# KiCad board EnvChocTKL.kicad_pcb (continued)
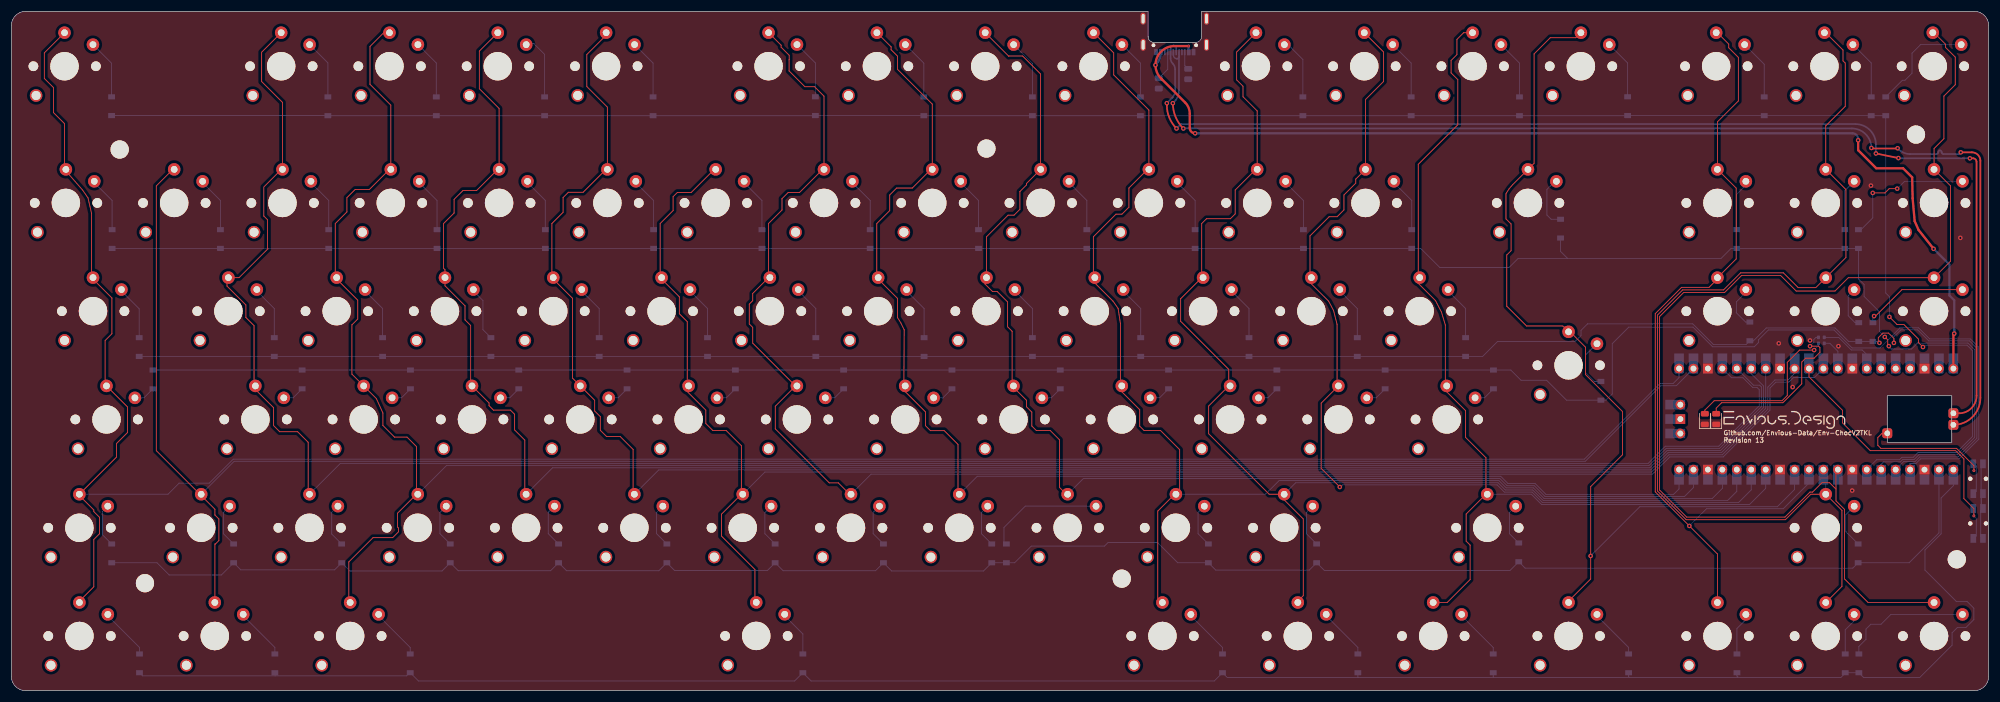
[diagram p0: board, top side]
## Nets (continued)
Net-(D_71-A): D_71.2 K_71.2
Net-(D_72-A): D_72.2 K_72.2
Net-(D_73-A): D_73.2 K_73.2
Net-(D_74-A): D_74.2 K_74.2
Net-(D_75-A): D_75.2 K_75.2
Net-(D_76-A): D_76.2 K_76.2
Net-(D_77-A): D_77.2 K_77.2
Net-(D_78-A): D_78.2 K_78.2
Net-(D_79-A): D_79.2 K_79.2
Net-(D_80-A): D_80.2 K_80.2
Net-(D_81-A): D_81.2 K_81.2
Net-(D_82-A): D_82.2 K_82.2
Net-(D_83-A): D_83.2 K_83.2
Net-(D_84-A): D_84.2 K_84.2
Net-(D_85-A): D_85.2 K_85.2
Net-(D_86-A): D_86.2 K_86.2
Net-(D_87-A): D_87.2 K_87.2
Net-(J1-CC1): J1.A5 R5.2
Net-(J1-CC2): J1.B5 R6.2
Net-(RPI1-GPIO27_ADC1): R1.1 RPI1.32
Net-(RPI1-GPIO28_ADC2): R2.1 RPI1.34

Pads without a net: J1 A8 B8; RPI1 35 36 37 39 41 42 43

## Via types
v1: diameter 0.8, hole 0.4, Top to Bottom, 36 vias
v2: diameter 0.5, hole 0.2, Top to Bottom, 3 vias

## Routing (per net, layer and track width the routed paths; a pad name or vN(x,y) marks a point on that pad's centre or on a via; arc(x,y) is an arc through that point)
GND: length 16.2
  Bottom w0.15: 346.9,39.9 346.48,39.48 346.48,32.45 346.53,32.4 ; 346.9,34.65 346.53,34.28 346.53,32.4 ; SW101.1 346.4,27.19 346.4,31.64 SW101.1 346.8,32.13 346.53,32.4
  vias: v1(310.88,61.1) v1(313.33,53.4) v1(316.38,61.6) v1(321.38,60.6) v1(323.8,35.2) v1(327.1,88.85) v1(342.82,79.65)
VBUS: length 193.1
  Top w0.4: v1(341.75,62.82) 341.6,62.68 RPI1.40 ; v1(324.85,96.82) 324.85,95.07 328.02,91.9 332.75,91.9 334.35,90.3 334.43,86.61 334.79,82.59 335.48,81.04 v1(338.12,77.72) ; v2(207.08,113.4) 204.6,113.4 arc(202.23,112.42) v1(201.25,110.05) arc(201.5,108.79) 202.22,107.72 206.48,103.45 arc(207.07,102.57) 207.28,101.52 207.28,98.99 arc(207.56,98.33) v1(208.22,98.05)
  Bottom w0.4: v1(338.12,77.72) 340.9,74.95 340.9,69.53 341.75,68.67 v1(341.75,62.82) ; v1(201.25,110.05) 201.25,110.05 arc(201.95,111.1) J1.A4 ; v1(208.22,98.05) 323.85,98.05 arc(324.56,97.76) 324.85,97.05 v1(324.85,96.82) ; v2(207.08,113.4) 207.08,112.36 arc(207.09,112.35) J1.A9
BOOTSEL: length 29.2
  Top w0.15: v2(345.2,38.7) 345.2,39.57 342.16,42.62 328.85,42.62 328.31,43.17 328.31,44.53 329.05,45.28 329.81,45.28
  Bottom w0.15: 345.2,34.65 345.63,35.08 345.63,39.48 345.2,39.9 v2(345.2,38.7)
col0: length 406.4
  Top w0.15: 11.73,34.55 14.5,31.78 14.5,31.5 15.5,30.5 15.5,27.6 14.5,26.6 14.5,18.27 11.73,15.5 ; 16.49,53.6 16.49,61.59 17.69,62.79 17.69,69.08 14.11,72.65 14.11,83.94 13.47,86.7 12.5,88.1 9.35,91.7 9.35,99.75 7.4,101.7 7.4,106.1 5.8,107.7 5.8,112.2 K_0.1 ; K_63.1 18.5,41.09 18.5,43.47 20.42,45.4 20.42,49.91 K_50.1
  Bottom w0.15: RPI1.21 293.34,55.07 292.3,54.03 289.99,54.03 276.68,40.72 39.03,40.72 34.81,36.5 29.5,36.5 27.55,34.55 K_63.1
col1: length 353.7
  Top w0.15: 35.8,15.76 35.8,25.8 35.9,25.8 36.5,26.4 36.5,30.2 35.8,30.9 35.8,31.91 25.5,42.21 25.5,88.8 28.4,91.7
  Bottom w0.15: K_64.1 39.18,40.34 276.84,40.34 290.15,53.65 292.87,53.65 RPI1.22
col2: length 369.2
  Top w0.15: K_1.1 44.02,112.31 44.02,107.16 47.69,103.49 K_18.1 ; 42.69,53.6 42.69,64.21 41.25,65.65 41.25,67.85 37.92,71.17 37.92,72.65 ; 44.47,88.67 47.45,91.65 ; 52.21,34.55 52.21,43.69 50.35,45.55 47.2,45.55 46.12,46.62 46.12,49.78 42.69,53.21 ; 44.4,88.6 44.4,83.5 45.06,82.84 45.06,77.79 45.12,77.72 40.06,72.66 K_34.1
  Bottom w0.15: K_65.1 57.86,39.97 287.9,39.97 290.94,43 300.33,43 307.45,50.12 307.45,52.95 307.04,53.36 306.28,53.36 304.58,55.05 302.58,55.05 RPI1.24
col3: length 375
  Top w0.15: K_19.1 66.74,103.01 63.08,106.67 63.08,113.33 65.5,115.75 ; 66.5,91.7 62.97,88.17 60.47,88.17 59.02,86.72 59.02,84.22 56.97,82.17 56.97,72.65 60.92,68.7 60.92,65.38 59.9,64.35 59.9,55.68 K_52.1 64.2,51.38 65.35,48.85 65.35,46.65 67.4,44.6 69.6,44.6 71.26,42.94 71.26,34.55 67.93,31.22 67.93,28.77 68.1,28.6 68.1,27.95 67.07,26.92 63.63,26.92 59.36,22.64 59.36,15.5
  Bottom w0.15: K_66.1 76.53,39.59 288.06,39.59 291.09,42.62 300.49,42.62 307.83,49.96 307.83,53.44 307.53,53.73 306.43,53.73 RPI1.25
col4: length 328.7
  Top w0.15: 85.55,91.7 81.82,87.97 79.42,87.97 77.87,86.42 77.87,84.03 76.02,82.17 76.02,74.3 76.27,74.05 K_36.1 76.27,71.23 79.8,67.7 79.8,65.22 80.79,64.24 80.79,53.6 ; K_3.1 82.32,112.51 82.32,105.89 85.79,102.42 K_20.1 ; 90.31,34.55 90.31,44.07 88.52,45.87 88.52,48.62 87.79,49.35 84.8,49.35 84.02,50.12 84.02,50.61 K_53.1
  Bottom w0.15: RPI1.26 306.04,55.76 308.2,53.59 308.2,49.81 300.65,42.25 291.25,42.25 288.21,39.21 95.2,39.21 K_67.1
col5: length 308.7
  Top w0.15: 104.6,91.7 100.57,87.67 97.97,87.67 97.05,86.75 97.05,84.15 95.07,82.17 95.07,72.65 98.7,69.03 98.7,54.98 K_54.1 102.6,51.08 102.6,49.2 103.6,48.2 103.6,45.8 104.7,44.7 107.1,44.7 109.36,42.44 109.36,34.55 ; 104.62,115.32 101.22,111.92 101.22,106.27 104.84,102.65 K_21.1
  Bottom w0.15: RPI1.27 308.58,49.65 300.8,41.87 291.4,41.87 288.37,38.84 113.88,38.84 K_68.1
col6: length 289.5
  Top w0.15: 123.65,91.7 119.6,87.65 117.15,87.65 116.4,86.9 116.4,84.45 114.12,82.17 114.12,72.65 117.5,69.28 117.5,66.3 118.89,64.91 118.89,52.61 122.15,49.35 122.15,47 123.4,45.75 125.75,45.75 128.41,43.09 128.41,34.55 124.9,31.04 124.9,27.2 130.79,21.31 130.79,15.76
  Bottom w0.15: K_69.1 132.55,38.46 288.53,38.46 291.56,41.49 300.96,41.49 308.96,49.49 308.96,53.39 310.22,54.65 312.5,54.65 313.66,55.81 RPI1.29
col7: length 286.5
  Top w0.15: 147.46,34.55 145.46,36.55 143.87,36.55 134.37,46.05 134.37,50.04 137.94,53.6 130.4,61.14 130.4,63.9 129.8,64.5 129.8,68 130.4,68.6 130.4,69.88 133.17,72.65 133.17,82.17 135.55,84.55 135.55,86.55 136.62,87.62 138.62,87.62 142.7,91.7 ; K_23.1 142.94,104.59 141.27,106.25 139.57,106.25 136.8,109.03 136.8,110.97 136.82,111 136.82,111.77 135.4,113.2 135.4,113.55 K_5.1
  Bottom w0.15: K_70.1 151.22,38.08 288.68,38.08 291.72,41.12 301.11,41.12 309.33,49.34 309.33,53.24 310.37,54.27 312.65,54.27 313.48,55.1 317.18,55.1 RPI1.31
col8: length 230.2
  Top w0.15: 156.99,52.84 160.79,49.04 160.79,46.61 161.66,45.74 164.09,45.74 166.51,43.31 166.51,34.55 ; 156.99,53.6 157.05,63.47 156.46,64.69 155.87,65.62 155.86,69.01 152.22,72.65 152.22,82.17 154.5,84.45 154.5,87.2 155.72,88.42 158.47,88.42 161.75,91.7 ; K_24.1 161.99,103.19 155.87,109.3 155.87,111.62 154.75,112.75 154.75,113.25 K_6.1
  Bottom w0.15: RPI1.20 293.34,35.49 292.38,34.53 269.93,34.53 268.03,36.43 263.25,36.43 261.97,37.71 169.9,37.71 K_71.1
col9: length 215.5
  Top w0.15: K_7.1 175.45,111.6 175.5,111.65 177.87,111.65 181.04,108.48 K_25.1 178.57,89.23 178.57,88.97 177.4,87.8 177.4,84.67 176.37,83.65 175.32,83.65 171.52,79.85 K_41.1 ; 185.56,34.55 184.37,35.74 184.37,44.12 182.75,45.75 180.3,45.75 179.5,46.55 179.5,49 178.55,49.95 178.55,51.09 176.04,53.6 176.04,63.21 175.24,64.01 175.24,68.39 173.42,70.2 172.6,70.2 171.27,71.53 171.27,72.65
  Bottom w0.15: K_72.1 188.57,37.33 261.82,37.33 263.09,36.06 267.87,36.06 269.77,34.16 294.3,34.16 295.88,35.73 RPI1.19
col10: length 218.6
  Top w0.15: 201.65,16.08 201.65,31.59 205.5,35.44 205.5,42.4 202.15,45.75 199.25,45.75 198.47,46.53 198.47,49.42 195.09,52.81 ; K_26.1 200.09,102.13 193.9,108.32 193.9,112.2 K_8.1 ; 190.32,72.65 190.32,79.85 194.3,83.82 195.35,83.82 196.57,85.05 196.57,88.42 199.85,91.7 ; 190.32,71.97 193.77,68.53 194.67,67.25 195.09,64.56 195.09,53.6
  Bottom w0.15: RPI1.17 300.96,35.57 299.17,33.78 269.62,33.78 267.72,35.68 262.93,35.68 261.66,36.95 223,36.95 220.6,34.55 K_73.1
col11: length 210.4
  Top w0.15: K_27.1 219.14,101.98 216.65,104.47 216.65,106.32 215.52,107.45 215.52,112.35 K_9.1 ; 223.66,33.79 227.25,30.2 227.25,16.71 226.04,15.5 ; 218.9,91.7 215.27,88.07 215.27,83.88 214.42,83.03 210.22,83.03 209.37,82.17 209.37,72.65 205.67,68.95 205.67,64.97 214.14,56.51 214.14,53.6 210.6,50.06 210.6,45.2 221.25,34.55 223.66,34.55
  Bottom w0.15: RPI1.16 303.5,35.06 301.88,33.43 269.47,33.43 267.6,35.3 262.78,35.3 261.5,36.58 225.92,36.58 K_74.1
col12: length 168.9
  Top w0.15: 237.95,91.46 236.48,89.99 236.48,89.28 234.4,87.2 234.4,84.57 233.2,83.38 231.8,83.38 228.42,80 228.42,72.65 ; 233.19,53.6 233.19,64.46 232.57,66.88 231.7,68.53 228.42,71.8 ; K_10.1 241.37,112.35 241.37,107.17 238.19,103.99 K_28.1 ; v1(233.67,35.82) 230.4,39.1 230.4,50.59 K_61.1
  Bottom w0.15: RPI1.15 306.04,35.32 303.8,33.08 269.33,33.08 267.48,34.93 262.62,34.93 261.35,36.2 234.2,36.2 233.82,35.82 v1(233.67,35.82)
col13: length 170.2
  Top w0.15: 249.86,15.5 252.55,15.5 256.6,19.55 256.6,25.6 255.9,26.3 255.9,31.07 259.38,34.55 259.38,40.97 255.8,44.55 255.8,49.25 252.24,52.81 ; K_11.1 255.45,115.75 254.27,114.57 254.27,111.9 253.25,110.88 253.25,108.67 254.42,107.5 254.42,99.55 247.47,92.6 247.47,71.65 250.51,68.61 251.55,66.6 252.24,64.31 252.24,53.6
  Bottom w0.15: RPI1.14 308.58,35.58 305.73,32.73 269.18,32.73 267.36,34.55 K_75.1
col14: length 170.5
  Top w0.15: 273.27,64.04 276.9,60.41 276.9,55.6 283.4,49.1 283.4,41.5 277.8,35.9 v1(277.8,23.7) 277.8,19.63 273.67,15.5 ; K_46.1 272.89,64.15 266.52,64.15 263.04,67.63 263.04,76.64 263.8,77.4 263.8,82.1 262.9,83 262.9,87.4 263.02,87.62 263.46,88.29 264.04,88.97 267.85,92.78 267.85,112.02 270.7,114.87 275.18,114.87 276.07,115.76
  Bottom w0.15: RPI1.12 313.66,35.38 310.63,32.35 286.45,32.35 v1(277.8,23.7)
col15: length 141.6
  Top w0.15: 300.1,72.43 298.62,70.95 293.79,70.95 289.16,66.32 289.16,34.98 295.15,28.99 v1(295.15,28.97) 295.16,28.97 300.1,24.04 K_85.1 ; 300.1,92 300.1,100.07 303.78,103.75 303.78,111.4 302.08,113.1 302.08,113.75 300.08,115.75 ; K_47.1 303.4,75.95 303.4,88.4 K_30.1
  Bottom w0.15: v1(295.15,28.97) 298.18,32 311.67,32 316.2,36.53
col16: length 173.2
  Top w0.15: 319.13,115.75 322.18,112.7 322.18,110.8 322.58,110.4 322.58,102.8 319.15,99.37 K_31.1 322.7,88.15 322.7,76.2 K_48.1 317.4,70.9 314.3,70.9 311.7,73.5 304.17,73.5 301.17,70.5 293.97,70.5 289.54,66.06 289.54,35.14 294.6,30.07 312.05,30.07 316.52,34.55 K_76.1 322,31.7 322,18.35 K_86.1
  Bottom w0.15: K_76.1 319.15,38.48
col17: length 205.5
  Top w0.15: 320.95,35.45 319.82,36.57 318.47,36.57 316.83,34.93 316.37,34.93 311.97,30.53 294.68,30.53 289.91,35.29 289.91,65.8 294.16,70.05 301.36,70.05 304.36,73.05 311.2,73.05 313.95,70.3 320.77,70.3 323.12,72.65 K_49.1 341.1,75.55 341.1,88.8 K_32.1 338.2,95.36 339.93,97.1 339.93,104.6 341.93,106.6 341.93,111.45 340.23,113.15 340.23,113.7 338.18,115.75 ; K_87.1 326.6,15.5 322.45,19.65 322.45,31.89 320.95,33.39 320.95,38.55
row0: length 401.4
  Top w0.15: v1(330.35,65.75) 331.7,64.4 332.9,64.4 335.45,61.85 335.45,61.25 v1(336.25,60.45)
  Bottom w0.15: D_14.1 D_15.1 329.7,69.95 330.35,69.3 v1(330.35,65.75) ; D_6.1 D_7.1 D_8.1 D_9.1 D_10.1 D_11.1 284.27,101.15 ; D_1.1 D_2.1 D_3.1 D_4.1 141.4,101.15 ; D_13.1 327.15,101.15 ; v1(336.25,60.45) 336.57,60.77 344,60.77 344.97,59.8 344.97,44.72 342.13,41.88 335.38,41.88 334.55,41.05 332.54,41.05 332.12,40.63 328.1,40.63 RPI1.7 ; D_5.1 160.47,101.17 ; D_12.1 308.31,101.17 ; D_0.1 55.65,101.17
row1: length 384.4
  Top w0.15: v1(330.25,60.61) 330.05,60.81 330.05,61.71 v1(329.54,62.23)
  Bottom w0.15: v1(329.54,62.23) 328.6,63.16 328.6,66.65 325.9,69.35 325.9,71.45 324.9,72.45 D_32.1 D_30.1 302.5,77.8 300.75,76.05 273.72,76.05 ; 273.72,76.05 272.5,77.28 D_29.1 ; 273.72,76.05 265.05,76.05 263.45,74.45 251.25,74.45 247.9,77.8 D_28.1 D_16.1 ; 328.8,38.99 328.8,39.75 329.3,40.25 332.27,40.25 332.7,40.68 334.71,40.68 335.53,41.5 342.29,41.5 345.35,44.56 345.35,59.95 344.15,61.15 335.3,61.15 334.25,60.1 330.76,60.1 v1(330.25,60.61)
row2: length 368.1
  Top w0.15: v1(331.14,61.18) 331.14,61.96 330.2,62.9 329.2,62.9 328.4,62.1 328.4,61.38 v1(328.59,61.18)
  Bottom w0.15: v1(331.14,61.18) 331.14,62.26 332.35,63.47 335.33,63.47 337.28,61.52 344.44,61.52 345.72,60.24 345.72,44.41 342.44,41.13 335.69,41.13 334.86,40.3 332.86,40.3 RPI1.5 ; 22.4,58.8 D_45.1 258.8,58.8 261.41,61.41 275.04,61.41 276.1,62.47 276.1,63.38 277.25,64.53 277.25,64.53 288.6,64.53 288.6,64.53 295.74,64.53 299.39,60.88 305.13,60.88 D_47.1 306.44,61.55 308.69,63.8 320.8,63.8 323.16,61.44 D_48.1 D_49.1 328.34,61.44 v1(328.59,61.18)
row3: length 372.5
  Bottom w0.15: RPI1.4 333.98,39.95 335.01,39.95 335.84,40.78 342.59,40.78 346.07,44.26 346.07,60.39 344.59,61.87 337.44,61.87 335.49,63.82 332.21,63.82 330.79,62.4 330.79,62.4 328.67,60.28 323.79,60.28 320.62,63.45 309.05,63.45 307.3,61.7 307.3,61.22 306.58,60.5 299.24,60.5 295.79,63.95 284.5,63.95 281.6,61.05 281.6,52.2 280.5,51.1 D_46.1 273.55,51.1 270.05,54.6 265.55,54.6 263.75,56.4 D_62.1 D_61.1 D_60.1 D_59.1 D_58.1 D_57.1 D_56.1 D_55.1 D_54.1 D_53.1 D_52.1 D_51.1 24.45,56.4
row4: length 350.6
  Bottom w0.15: RPI1.2 339.06,27.74 333.82,22.5 D_76.1 323.9,21.55 266.27,21.55 D_75.1 263.62,21.15 230.95,21.15 D_74.1 228.3,21.2 211.85,21.2 D_73.1 205.16,22.5 201.58,26.07 192.92,26.07 192.27,25.42 179.4,25.42 176.47,22.5 D_72.1 D_71.1 171,21.05 154.85,21.05 D_70.1 152,21.1 135.75,21.1 D_69.1 133,21.15 116.65,21.15 D_68.1 113.9,21.1 97.65,21.1 D_67.1 94.85,21.1 78.6,21.1 D_66.1 75.75,21.05 59.55,21.05 D_65.1 56.85,21.25 40.35,21.25 D_64.1 36.95,20.35 27.76,20.35 25.61,22.5 D_63.1
row5: length 369.2
  Bottom w0.15: 236.9,2.3 213.89,2.3 D_81.1 211.59,1.7 140.67,1.7 D_80.1 137.77,1.7 71.61,1.7 D_79.1 ; 236.9,2.3 260.8,2.3 ; 236.9,2.3 236.85,2.35 D_82.1 ; 260.8,2.3 260.66,2.44 D_83.1 ; 260.8,2.3 284.6,2.3 ; RPI1.1 341.6,36.05 339.44,33.89 339.44,27.59 336.6,24.75 336.6,21.2 342.1,15.7 344,15.7 345.2,14.5 345.2,12.5 343.8,11.1 342.3,11.1 341.37,10.17 341.37,8 335.67,2.3 325.82,2.3 D_87.1 322.65,3.15 321.8,2.3 303.7,2.3 ; 70.05,3.15 69.5,2.6 46.4,2.6 ; 46.4,2.6 46.4,3.1 ; 46.4,2.6 23.09,2.6 D_77.1 ; D_85.1 303.52,2.57 303.7,2.4 303.7,2.3 ; 284.6,2.3 303.7,2.3 ; 284.6,2.3 284.47,2.42 D_84.1
RUN: length 52.3
  Top w0.15: RPI1.30 316.2,55.21 322.1,49.31 322.1,47.1 326.98,42.22 341.99,42.22 343.45,40.76 343.45,33.78 345.2,32.03 v2(345.2,30.74)
  Bottom w0.15: 345.2,26.78 345.63,27.21 345.63,30.31 v2(345.2,30.74) 345.2,32.03
USB_D+: length 211.2
  Top w0.3: v1(327.17,95.47) 327.27,95.38 331.74,95.38 v1(331.79,95.42) ; v1(206.15,98.9) 206.14,98.91 arc(204.78,100.94) v1(204.3,103.35) ; v1(342.9,94.7) 344.87,94.7 arc(345.91,94.27) 346.35,93.22 346.35,51.51 arc(344.96,48.15) RPI1.TP3
  Bottom w0.25: J1.B6 205.4,111.57 arc(205.28,111.29) 205,111.18 ; J1.A6 204.4,111.78 arc(204.58,111.35) 205,111.18 ; 205,111.18 205.08,111.18 arc(205.31,111.27) 205.4,111.49
  Bottom w0.3: v1(204.3,103.35) 204.49,103.53 arc(205.15,104.52) 205.38,105.68 205.38,111.46 205.37,111.47 205.4,111.49 J1.B6 ; v1(206.15,98.9) 323.75,98.9 arc(326.17,97.9) v1(327.17,95.47) ; v1(331.79,95.42) 332.01,95.2 arc(332.89,94.61) 333.94,94.4 338.64,94.4 arc(338.85,94.49) 338.94,94.7 338.94,94.74 arc(339.03,94.95) 339.24,95.04 arc(339.45,94.95) 339.54,94.74 339.54,94.7 arc(339.63,94.49) 339.84,94.4 342.6,94.4 v1(342.9,94.7)
USB_D-: length 209.7
  Top w0.3: v1(344.5,93.65) 345.07,93.65 arc(345.5,93.47) 345.67,93.05 345.67,51.88 arc(344.77,49.7) 342.58,48.79 RPI1.TP2 ; v1(331.94,93.69) v1(327.97,94.5) ; v1(203.25,103.35) 203.25,103 arc(203.69,100.78) v1(204.95,98.9)
  Bottom w0.25: J1.B7 203.9,113.02 arc(204.05,113.38) 204.41,113.53 arc(204.75,113.38) 204.9,113.03 J1.A7
  Bottom w0.3: v1(327.97,94.5) 327.97,96.07 arc(326.92,98.62) 324.37,99.67 205.72,99.67 v1(204.95,98.9) ; J1.B7 203.9,111.27 arc(204,110.74) 204.3,110.3 arc(204.6,109.86) 204.7,109.33 204.7,105.6 arc(204.55,104.86) 204.13,104.24 v1(203.25,103.35) ; v1(331.94,93.69) 331.98,93.65 v1(344.5,93.65)
Net-(D1-A): length 29.2
  Top w0.15: v1(317.1,59.91) 314.54,59.91 312.38,57.75 312.38,51.93 311.45,51 299.53,51 297.88,49.35 D1.2
  Bottom w0.15: R1.2 317.87,60.68 v1(317.1,59.91)
Net-(D2-A): length 30.6
  Top w0.15: D2.2 299.88,49.7 300.83,50.65 311.6,50.65 314.93,53.98 314.93,57.8 315.61,58.48 317.08,58.48 318.13,59.53 318.13,60.35 317.88,60.6 v1(316.38,60.6)
  Bottom w0.15: v1(316.38,60.6) 317.06,61.28 317.06,61.78 317.43,62.15 R2.2
Net-(D_0-A): length 10.5
  Bottom w0.15: K_0.2 17.63,110.37 D_0.2
Net-(D_1-A): length 10.5
  Bottom w0.15: D_1.2 55.67,110.44 K_1.2
Net-(D_2-A): length 10.5
  Bottom w0.15: K_2.2 74.75,110.41 D_2.2
Net-(D_3-A): length 11.3
  Bottom w0.15: 90.73,113.82 91.9,113.82 93.8,111.92 D_3.2
Net-(D_4-A): length 10.6
  Bottom w0.15: K_4.2 112.87,110.41 D_4.2
Net-(D_5-A): length 10.5
  Bottom w0.15: D_5.2 141.42,110.42 K_5.2
Net-(D_6-A): length 10.5
  Bottom w0.15: D_6.2 160.5,110.4 K_6.2
Net-(D_7-A): length 10.6
  Bottom w0.15: K_7.2 179.6,110.35 D_7.2
Net-(D_8-A): length 10.5
  Bottom w0.15: K_8.2 198.6,110.4 D_8.2
Net-(D_9-A): length 10.3
  Bottom w0.15: 224.55,113.65 227.17,111.03 D_9.2
Net-(D_10-A): length 10.5
  Bottom w0.15: D_10.2 246.22,110.4 K_10.2
Net-(D_11-A): length 10.5
  Bottom w0.15: D_11.2 265.27,110.4 K_11.2
Net-(D_12-A): length 10.5
  Bottom w0.15: D_12.2 284.3,110.42 K_12.2
Net-(D_13-A): length 10.6
  Bottom w0.15: D_13.2 308.33,110.19 K_13.2
Net-(D_14-A): length 10.5
  Bottom w0.15: D_14.2 327.15,110.42 K_14.2
Net-(D_15-A): length 19.2
  Bottom w0.15: D_15.2 332.62,107.38 333.07,107.38 334.32,108.62 334.32,112.15 335.82,113.65 K_15.2
Net-(D_16-A): length 9.9
  Bottom w0.15: 14.35,89.6 17.72,86.22 D_16.2
Net-(D_17-A): length 9.9
  Bottom w0.15: D_17.2 36.77,86.22 33.4,89.6
Net-(D_18-A): length 9.9
  Bottom w0.15: 52.45,89.6 55.82,86.22 D_18.2
Net-(D_19-A): length 9.9
  Bottom w0.15: 71.5,89.6 74.87,86.22 D_19.2
Net-(D_20-A): length 9.9
  Bottom w0.15: D_20.2 93.92,86.22 90.55,89.6
Net-(D_21-A): length 9.9
  Bottom w0.15: 109.6,89.6 112.97,86.22 D_21.2
Net-(D_22-A): length 9.9
  Bottom w0.15: 128.65,89.6 132.02,86.22 D_22.2
Net-(D_23-A): length 9.9
  Bottom w0.15: D_23.2 151.07,86.22 147.7,89.6
Net-(D_24-A): length 9.9
  Bottom w0.15: D_24.2 170.12,86.22 166.75,89.6
Net-(D_25-A): length 9.9
  Bottom w0.15: 185.8,89.6 189.17,86.22 D_25.2
Net-(D_26-A): length 9.9
  Bottom w0.15: 204.85,89.6 208.22,86.22 D_26.2
Net-(D_27-A): length 9.9
  Bottom w0.15: D_27.2 227.27,86.22 223.9,89.6
Net-(D_28-A): length 9.9
  Bottom w0.15: 242.95,89.6 246.32,86.22 D_28.2
Net-(D_29-A): length 9.2
  Bottom w0.15: D_29.2 270.85,82.92 270.1,83.67 270.1,88.17 271.52,89.6
Net-(D_30-A): length 8.5
  Bottom w0.15: 305.1,88.92 303.47,87.3 D_30.2
Net-(D_31-A): length 9.2
  Bottom w0.15: K_31.2 322.52,87.97 D_31.2
Net-(D_32-A): length 23.9
  Top w0.15: v1(331.72,88.31) 330.31,88.31 329.56,87.56 v1(327.42,87.56)
  Bottom w0.15: v1(331.72,88.31) 333.01,89.6 K_32.2 ; 325.35,81.1 327.42,83.17 v1(327.42,87.56)
Net-(D_33-A): length 9.8
  Bottom w0.15: D_33.2 22.48,67.18 19.11,70.55
Net-(D_34-A): length 9.8
  Bottom w0.15: 42.92,70.55 46.25,67.22 D_34.2
Net-(D_35-A): length 9.8
  Bottom w0.15: 61.97,70.55 65.3,67.22 D_35.2
Net-(D_36-A): length 9.8
  Bottom w0.15: D_36.2 82.95,63.5 82.95,68.62 81.02,70.55
Net-(D_37-A): length 9.8
  Bottom w0.15: 100.07,70.55 103.4,67.22 D_37.2
Net-(D_38-A): length 9.8
  Bottom w0.15: 119.12,70.55 122.45,67.22 D_38.2
Net-(D_39-A): length 9.8
  Bottom w0.15: D_39.2 141.5,67.22 138.17,70.55
Net-(D_40-A): length 9.8
  Bottom w0.15: 157.22,70.55 160.55,67.22 D_40.2
Net-(D_41-A): length 9.8
  Bottom w0.15: 176.27,70.55 179.6,67.22 D_41.2
Net-(D_42-A): length 9.8
  Bottom w0.15: D_42.2 198.65,67.22 195.32,70.55
Net-(D_43-A): length 9.8
  Bottom w0.15: 214.37,70.55 217.7,67.22 D_43.2
Net-(D_44-A): length 9.8
  Bottom w0.15: 233.42,70.55 236.75,67.22 D_44.2
Net-(D_45-A): length 9.8
  Bottom w0.15: 252.47,70.55 255.8,67.22 D_45.2
Net-(D_46-A): length 9.2
  Bottom w0.15: K_46.2 276.9,59.02 276.9,55.97 278.47,54.4 D_46.2
Net-(D_47-A): length 7.3
  Bottom w0.15: D_47.2 305.05,64.85 303.42,66.47 303.42,68.4 305.1,70.07
Net-(D_48-A): length 7.4
  Bottom w0.15: D_48.2 324.31,64.74 323.1,65.95 323.1,69.5 K_48.2
Net-(D_49-A): length 18.7
  Top w0.15: K_49.2 332.55,70.55 327.9,65.9 v1(327.65,65.9)
  Bottom w0.15: v1(327.65,65.9) 327.45,65.7 D_49.2
Net-(D_50-A): length 3.8
  Bottom w0.15: K_50.2 23.32,51.51 D_50.2
Net-(D_51-A): length 3.9
  Bottom w0.15: D_51.2 49.56,51.51 K_51.2
Net-(D_52-A): length 3.9
  Bottom w0.15: D_52.2 68.61,51.51 K_52.2
Net-(D_53-A): length 3.9
  Bottom w0.15: D_53.2 87.66,51.51 K_53.2
Net-(D_54-A): length 3.9
  Bottom w0.15: K_54.2 106.71,51.51 D_54.2
Net-(D_55-A): length 3.9
  Bottom w0.15: D_55.2 125.76,51.51 K_55.2
Net-(D_56-A): length 3.9
  Bottom w0.15: D_56.2 144.81,51.51 K_56.2
Net-(D_57-A): length 3.9
  Bottom w0.15: D_57.2 163.86,51.51 K_57.2
Net-(D_58-A): length 3.9
  Bottom w0.15: K_58.2 182.91,51.51 D_58.2
Net-(D_59-A): length 3.9
  Bottom w0.15: D_59.2 201.96,51.51 K_59.2
Net-(D_60-A): length 3.9
  Bottom w0.15: D_60.2 221.01,51.51 K_60.2
Net-(D_61-A): length 3.9
  Bottom w0.15: K_61.2 240.06,51.51 D_61.2
Net-(D_62-A): length 3.9
  Bottom w0.15: D_62.2 259.11,51.51 K_62.2
Net-(D_63-A): length 7.7
  Bottom w0.15: K_63.2 16.05,31.54 16.05,27.4 D_63.2
Net-(D_64-A): length 7.9
  Bottom w0.15: D_64.2 37.29,27.61 37.29,31.35 K_64.2
Net-(D_65-A): length 7.8
  Bottom w0.15: K_65.2 56.34,31.35 56.34,27.56 D_65.2
Net-(D_66-A): length 7.9
  Bottom w0.15: K_66.2 75.39,31.35 75.39,27.61 D_66.2
Net-(D_67-A): length 7.9
  Bottom w0.15: D_67.2 94.44,27.61 94.44,31.35 K_67.2
Net-(D_68-A): length 7.9
  Bottom w0.15: D_68.2 113.49,27.61 113.49,31.35 K_68.2
Net-(D_69-A): length 7.9
  Bottom w0.15: K_69.2 132.54,31.35 132.54,27.61 D_69.2
Net-(D_70-A): length 7.9
  Bottom w0.15: D_70.2 151.59,27.61 151.59,31.35 K_70.2
Net-(D_71-A): length 7.9
  Bottom w0.15: K_71.2 170.64,31.35 170.64,27.61 D_71.2
Net-(D_72-A): length 20.7
  Bottom w0.15: 174.6,25.8 174.6,28.71 178.35,32.46 190.78,32.46 K_72.2
Net-(D_73-A): length 7.9
  Bottom w0.15: D_73.2 208.74,27.61 208.74,31.35 K_73.2
Net-(D_74-A): length 7.9
  Bottom w0.15: K_74.2 227.79,31.35 227.79,27.61 D_74.2
Net-(D_75-A): length 7.6
  Bottom w0.15: D_75.2 263.51,27.61 263.51,31.35 K_75.2
Net-(D_76-A): length 8.1
  Bottom w0.15: D_76.2 322.7,27.95 322.7,31 K_76.2
Net-(D_77-A): length 9.4
  Bottom w0.15: D_77.2 22.54,7.59 16.73,13.4
Net-(D_78-A): length 9.4
  Bottom w0.15: D_78.2 46.35,7.59 40.54,13.4
Net-(D_79-A): length 9.4
  Bottom w0.15: D_79.2 70.16,7.59 64.36,13.4
Net-(D_80-A): length 8
  Bottom w0.15: D_80.2 139.22,9.97 136.02,13.17
Net-(D_81-A): length 9.4
  Bottom w0.15: 207.23,13.4 213.04,7.59 D_81.2
Net-(D_82-A): length 9.4
  Bottom w0.15: 231.04,13.4 236.85,7.59 D_82.2
Net-(D_83-A): length 9.4
  Bottom w0.15: D_83.2 260.66,7.59 254.86,13.4
Net-(D_84-A): length 9.4
  Bottom w0.15: D_84.2 284.47,7.59 278.67,13.4
Net-(D_85-A): length 6.7
  Bottom w0.15: D_85.2 303.52,10.92 305.1,12.5
Net-(D_86-A): length 7.6
  Bottom w0.15: D_86.2 322.57,10.7 324.15,12.28 K_86.2
Net-(D_87-A): length 22.9
  Bottom w0.15: K_87.2 330.6,13.4 328.87,11.67 327.07,11.67 326.22,10.82 326.22,9.03 324.97,7.78 D_87.2
Net-(J1-CC1): length 5.3
  Bottom w0.15: J1.A5 203.4,109.31 R5.2
Net-(J1-CC2): length 3.2
  Bottom w0.15: R6.2 206.4,110 J1.B5
Net-(RPI1-GPIO27_ADC1): length 6
  Bottom w0.15: RPI1.32 321.28,59.7 319.88,61.1 R1.1
Net-(RPI1-GPIO28_ADC2): length 11.2
  Bottom w0.15: RPI1.34 326.36,59.12 325.55,59.93 323.64,59.93 321.42,62.15 R2.1

## Copper pours and planes (outline as drawn; the poured copper is in the pictures)
GND on Top, Bottom: 347.8,0 0,0 0,119.5 347.8,119.5

## Text on the board
B.Silkscreen: BOOTSEL | RESET
F.Silkscreen: Github.com/Envious-Data/Env-ChocV2TKL / Revision 13
